# Allegro board BeagleBoard-xM.brd (continued)
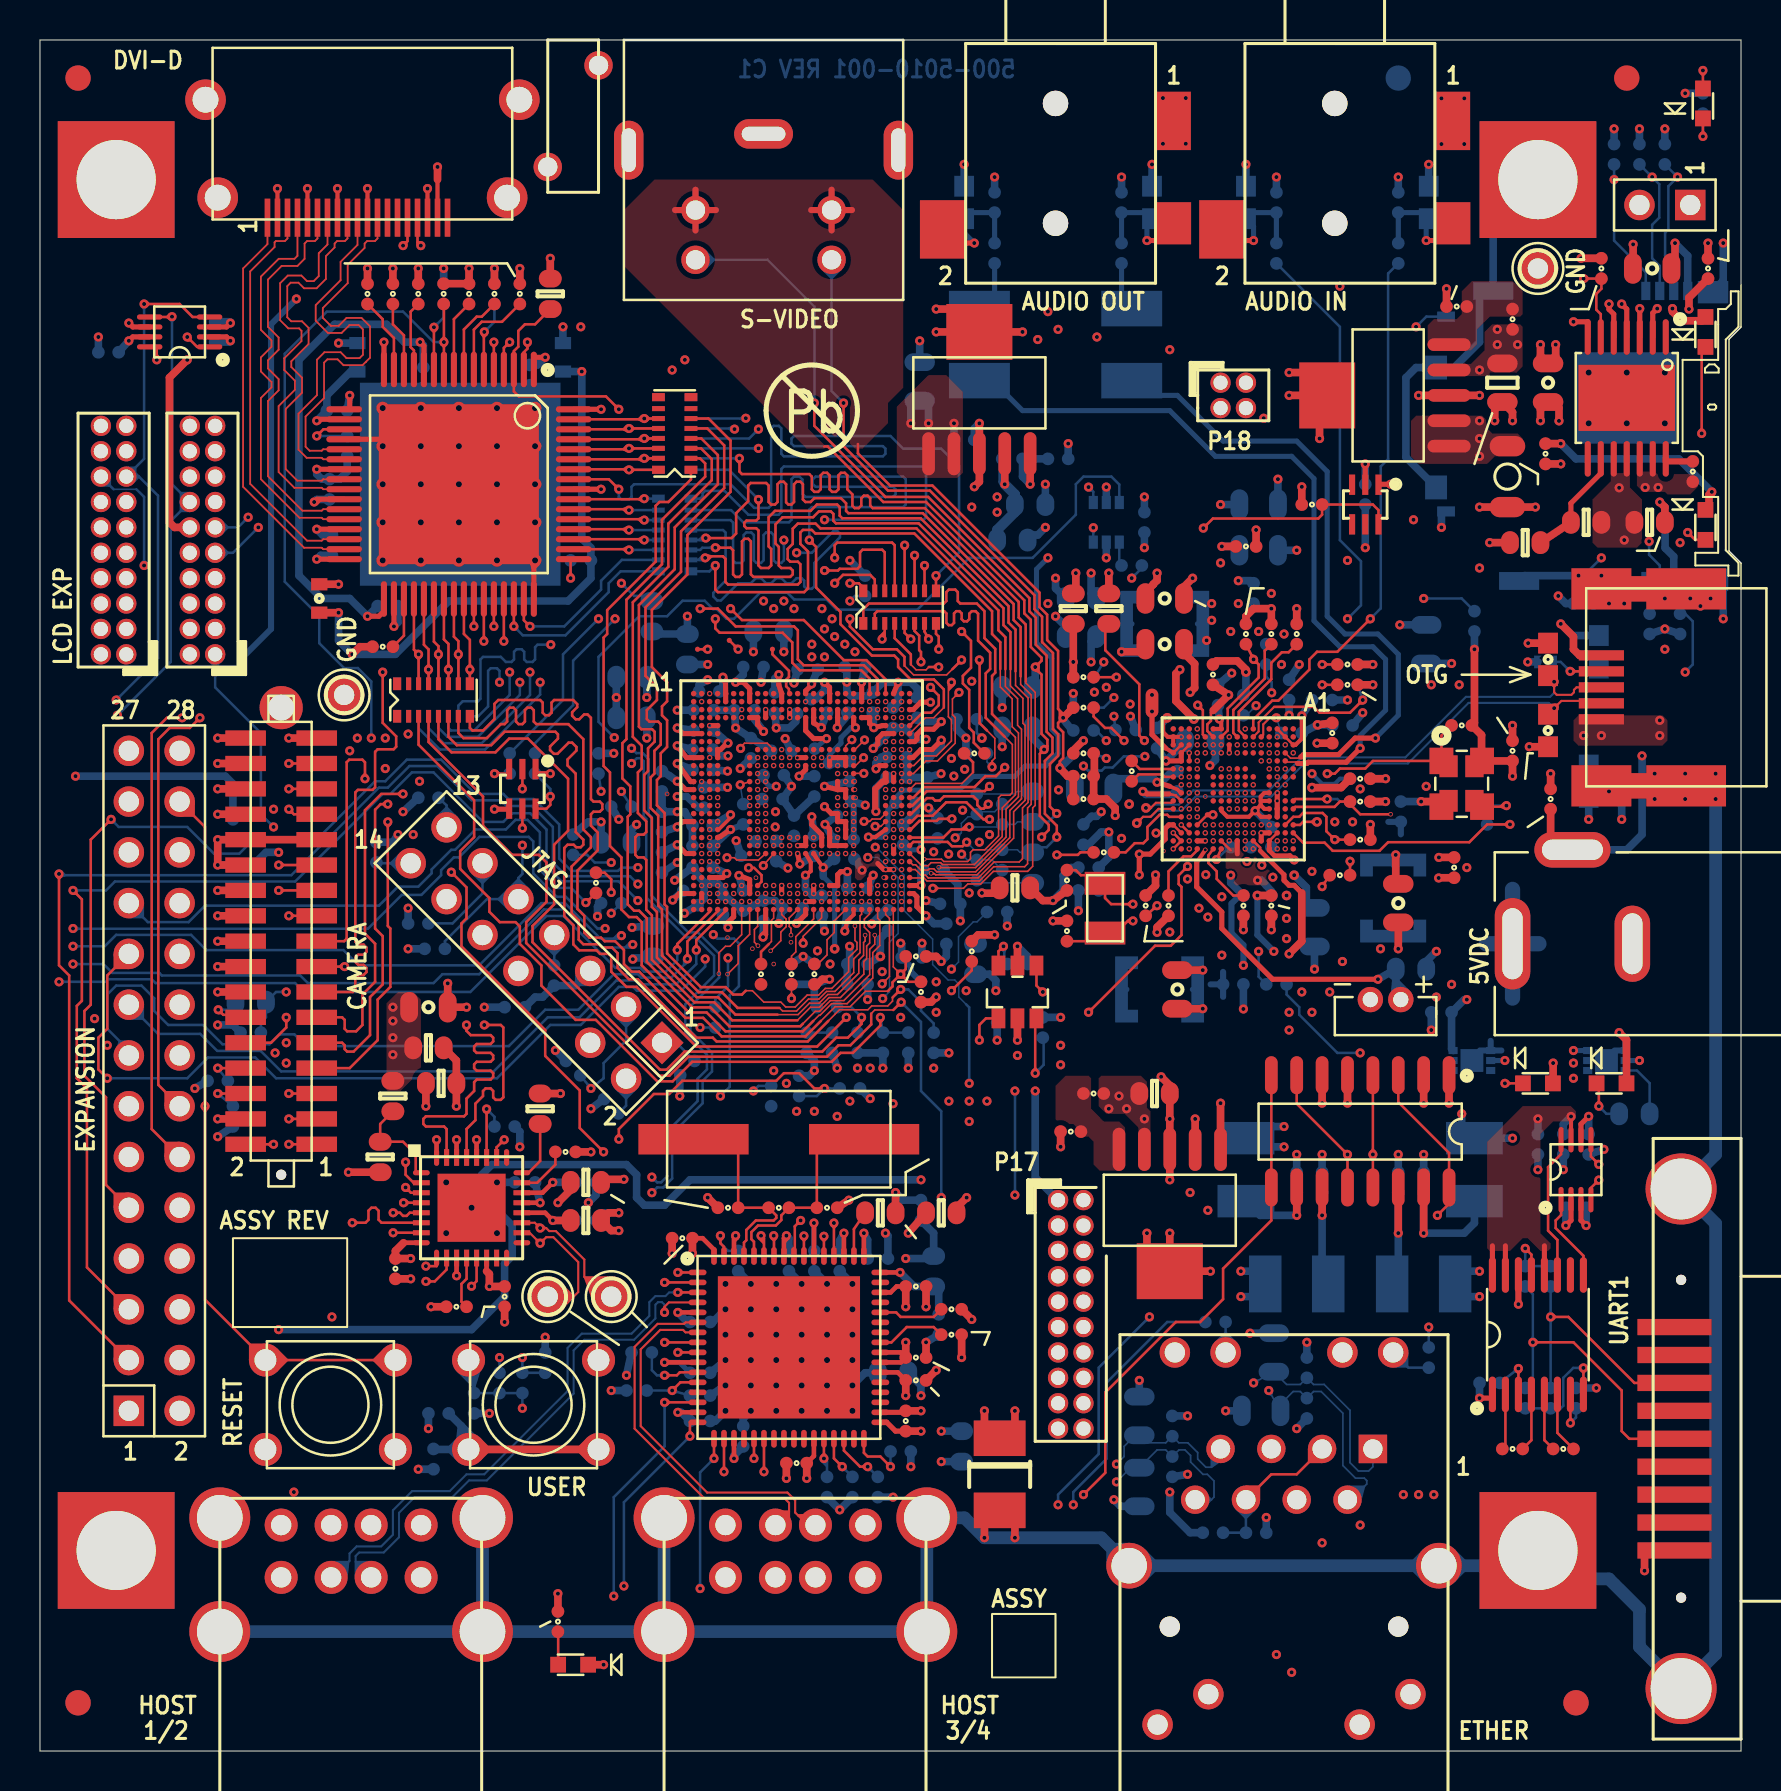
[diagram p0: board, top side]
## Footprints (pads in the part's own frame, mm; a bottom-side part is the same pattern mirrored in y, then rotated) (continued)
R402-25RD
  round 0.635 smd: 1(-0.508,0) 2(0.508,0)
R603-35X45
  oval 0.889x1.143 smd: 1(-0.762,0) 2(0.762,0)
R805-35X60
  oval 0.889x1.524 smd: 1(-0.965,0) 2(0.965,0)
R1210-70X102
  rect 1.778x2.591 smd: 1(-1.803,0) 2(1.803,0)
RJ45-BEL-PULSE_SHLD
  round 1.016 hole 3.251 unplated: (-10.16,-8.89) (1.27,-8.89)
  rect 1.422x1.422 hole 0.965: 1(0,0)
  round 1.422 hole 0.965: 2(-1.27,-2.54) 3(-2.54,0) 4(-3.81,-2.54) 5(-5.08,0) 6(-6.35,-2.54) 7(-7.62,0) 8(-8.89,-2.54)
  round 1.524 hole 1.016: 9(1.016,4.826) 10(-1.524,4.826) 11(-7.366,4.826) 12(-9.906,4.826) 15(-10.77,-13.792) 16(-8.23,-12.268) 17(-0.66,-13.792) 18(1.88,-12.268)
  round 2.286 hole 1.778: 13(-12.192,-5.842) 14(3.302,-5.842)
RPAK16-10X25-2HV
  rect 0.406x0.635 smd: 1(-1.819,-0.813) 8(1.819,-0.813) 9(1.819,0.813) 16(-1.819,0.813)
  rect 0.254x0.635 smd: 2(-1.245,-0.813) 3(-0.747,-0.813) 4(-0.249,-0.813) 5(0.249,-0.813) 6(0.747,-0.813) 7(1.245,-0.813) 10(1.245,0.813) 11(0.747,0.813) 12(0.249,0.813) 13(-0.249,0.813) 14(-0.747,0.813) 15(-1.245,0.813)
SC88
  rect 0.305x1.016 smd: 1(-0.66,-0.991) 2(0,-0.991) 3(0.66,-0.991) 4(0.66,0.991) 5(0,0.991) 6(-0.66,0.991)
SD-MICRO-SCHA5B0300
  rect 0.914x0.457 smd: 1(-7.257,0) 2(-7.257,-0.7) 3(-7.257,-1.4) 4(-7.257,-2.1) 5(7.257,-2.1) 6(7.257,-1.4) 7(7.257,-0.7) 8(7.257,0)
  rect 0.508x0.889 smd: 9(3.775,9.989) 10(-5.975,9.989)
  rect 0.889x2.007 smd: 11(-7.25,7.635) 12(7.25,6.335)
  rect 1.118x1.524 smd: 13(-7.196,-3.365) 14(7.196,-3.365)
  rect 1.194x1.092 smd: 15(-3.425,10.488) 16(2.575,10.488)
SHORT-PAD-SMT
  custom 0.381x0.635 smd: 1(-0.381,0) 2(0.381,0)
SO16-25X75
  oval 0.635x1.905 smd: 1(-4.445,-2.819) 2(-3.175,-2.819) 3(-1.905,-2.819) 4(-0.635,-2.819) 5(0.635,-2.819) 6(1.905,-2.819) 7(3.175,-2.819) 8(4.445,-2.819) 9(4.445,2.794) 10(3.175,2.794) 11(1.905,2.794) 12(0.635,2.794) 13(-0.635,2.794) 14(-1.905,2.794) 15(-3.175,2.794) 16(-4.445,2.794)
SW4-6040-PUSH
  round 1.651 hole 1.092: 1(0,0) 2(6.502,0) 3(0,4.47) 4(6.502,4.47)
TP1-20SMT
  round 0.254 smd: 1(0,0)
TP1-8040
  round 2.032 hole 1.016: 1(0,0)
TSSOP16-14X70
  oval 0.356x1.778 smd: 1(-2.276,-2.987) 2(-1.626,-2.987) 3(-0.975,-2.987) 4(-0.325,-2.987) 5(0.325,-2.987) 6(0.975,-2.987) 7(1.626,-2.987) 8(2.276,-2.987) 9(2.276,2.987) 10(1.626,2.987) 11(0.975,2.987) 12(0.325,2.987) 13(-0.325,2.987) 14(-0.975,2.987) 15(-1.626,2.987) 16(-2.276,2.987)
unnamed#2
  round 1.27 smd: 1(0,0)
USB-MINI-SMT-NUM
  rect 0.508x2.261 smd: 1(-1.6,0) 2(-0.8,0) 3(0,0) 4(0.8,0) 5(1.6,0)
  rect 2.057x2.997 smd: 6(-4.928,0) 7(4.928,0)
  rect 2.057x3.988 smd: 8(-4.928,-4.242) 9(4.928,-4.242)
USB_STACKED2
  round 1.651 hole 1.016: A1(0,0) A2(2.499,0) A3(4.501,0) A4(7,0) B1(0,-2.616) B2(2.499,-2.616) B3(4.501,-2.616) B4(7,-2.616)
  round 3.048 hole 2.286: MH1(-3.071,0.363) MH2(10.071,0.363) MH3(-3.071,-5.326) MH4(10.071,-5.326)
XTAL2-216X60-HCM49
  rect 5.512x1.524 smd: 1(-4.267,0) 2(4.267,0)
XTAL2_FX135
  rect 1.143x2.032 smd: 1(-1.245,0) 2(1.245,0)

## Nets
3V3_ADJ: R9.2 R10.1 U2.9(ADJ)
GND: BT1.2(-) C3.2 C5.2 C6.2 C7.2 C8.2 C9.2 C12.1 C13.2 C14.1 C15.1 C16.2 C17.1 C18.2 C19.1 C20.1 C21.2 C22.2 C23.2 C24.1 C25.1 C26.1 C27.1 C28.1 C29.1 C30.1 C31.1 C32.1 C33.1 C34.1 C35.1 C36.1 C37.1 C38.1 C39.2 C40.1 C41.1 C42.1 C43.1 C44.2 C45.1 C46.1 C47.1 C48.1 C49.1 C50.1 C51.1 C52.1 C53.1 C54.1 C55.2 C56.2 C57.2 C58.2 C59.2 C60.2 C61.1 C62.1 C63.1 C64.1 C65.1 C66.1 C67.1 C68.2 C69.2 C70.2 C71.1 C72.1 C73.1 C74.1 C75.2 C76.2 C77.2 C78.2 C79.2 C80.2 C81.2 C82.2 C83.2 C84.2 C85.2 C86.2 C89.2 C90.2 C91.1 C92.2 C93.2 C94.1 C95.1 C96.1 C97.1 C100.2 C101.2 C102.1 C103.1 C104.2 C105.2 C107.2 C108.2 C109.2 C110.2 C111.2 C112.2 C113.2 C114.2 C115.2 C116.2 C117.2 C118.2 C119.2 C120.2 C121.2 C122.2 C123.2 C124.2 C125.2 C126.2 C127.2 C128.2 C129.2 C130.2 C131.2 C132.2 C133.2 C134.2 C135.2 C136.2 C137.2 C138.2 C139.2 C140.2 C141.2 C142.2 C143.2 C144.2 C145.2 C146.1 C147.1 C149.2 C151.2 C152.2 C153.2 C154.2 C155.2 C156.2 C157.2 C158.2 C159.1 C160.2(M) C161.2(M) C162.2(M) C163.2(M) C164.2 C165.2 C166.2 C167.2 C168.2 C169.2 C170.2 C171.2 C172.2 C173.2 C174.2 C175.2 C176.2 C177.2 C178.2 C179.2 C180.2 C181.2 C182.2 C183.2 C184.2 C185.2 C186.1 C187.2 C189.2 C190.1 C191.2 C192.2 C193.2 C194.2 C195.2 C196.1 C197.2 C198.2 C199.2(P2) C200.2 C201.2 C202.2 C203.2 C204.2 C205.2 C206.2 C207.2 C209.2 C210.1 C213.2 D1.1 D2.1 D3.1 D4.1 D8.1 D9.1 D10.1 D11.1 J1.1 P1.5(G1) P2.2 P3.4 P3.8 P3.10 P3.12 P4.1(P1) P4.2(P2) P5.1 P6.1 P7.6(VSS) P7.9(GND) P8.5 P9.27 P9.28 P10.4(2) P10.14(7) P10.20(10) P10.22(11) P10.28(14) P10.33(34) P10.34(17) P11.19 P11.20 P12.2(DAT2_S) P12.5(DAT1_S) P12.8(DAT0_S) P12.11(CLK_S) P12.17(DDC/CEC GND) P13.19 P13.20 P14.A4(GNDA) P14.B4(GNDB) P15.4(GND1) P15.5(GND2) P16.A4(GNDA) P16.B4(GNDB) P17.19 P17.20 Q1.1(4) Q1.4 Q2.1(4) R10.2 R12.1 R15.2 R22.2 R23.2 R31.2 R34.1 R41.2 R43.2 R52.2 R53.2 R54.2 R63.1 R65.2 R71.2 R85.1 R91.1 R94.1 R100.2 R102.2 R103.2 R106.2 R109.1 R113.2 R119.1 R122.2 R123.2 R136.1 R137.2 R139.2 R140.2 R141.2 R142.2 R143.2 R147.2 S2.3(B1) S2.4(B2) TP1.1(TP) TP2.1(TP) U2.7(GND) U2.15(PPAD) U3.3(GND1) U3.6(GND) U4.A3(VSS4) U4.A26(VSS62) U4.AA2(POP_VSS_FT_3) U4.AA26(VSS_SDI) U4.AC25(VSS61) U4.AC26(VSS65) U4.AE12(VSS29) U4.AE20(VSS55) U4.AF2(POP_VSS_FT_4) U4.AF12(VSS30) U4.AF20(VSS56) U4.AF27(POP_VSS_FT_10) U4.AG2(VSS3) U4.AG3(VSS9) U4.AG6(VSS12) U4.AG10(POP_VSS_FT_5) U4.AG15(POP_VSS_FT_7) U4.AG16(VSS_CSI2) U4.AH21(VSS_DSI) U4.B2(VSS1) U4.B15(POP_VSS_FT_6) U4.B27(VSS66) U4.C7(VSS13) U4.C10(VSS20) U4.C13(VSS31) U4.C19(VSS43) U4.C22(VSS58) U4.D7(VSS14) U4.D10(VSS21) U4.D13(VSS32) U4.D19(VSS44) U4.D21(VSS57) U4.E3(VSS5) U4.E4(VSS10) U4.G27(VSS67) U4.J3(VSS6) U4.J12(VSS26) U4.J13(VSS33) U4.J16(VSS37) U4.J17(VSS39) U4.J27(POP_VSS_FT_9) U4.K9(VSS15) U4.K10(VSS22) U4.K12(VSS27) U4.K16(VSS38) U4.K17(VSS40) U4.K19(VSS45) U4.L19(VSS46) U4.L20(VSS51) U4.L26(VSS63) U4.M2(POP_VSS_FT_1) U4.M20(VSS52) U4.M26(POP_VSS_FT_8) U4.M28(VSS_CSIB) U4.N2(POP_VSS_FT_2) U4.N9(VSS16) U4.P3(VSS7) U4.P4(VSS11) U4.P9(VSS17) U4.P10(VSS23) U4.P19(VSS47) U4.R19(VSS48) U4.R20(VSS53) U4.R26(VSS64) U4.T20(VSS54) U4.U2(VSS2) U4.U9(VSS18) U4.V9(VSS19) U4.V10(VSS24) U4.V19(VSS49) U4.W3(VSS8) U4.W10(VSS25) U4.W13(VSS34) U4.W14(VSS36) U4.W17(VSS41) U4.W19(VSS50) U4.W25(VSS59) U4.Y12(VSS28) U4.Y13(VSS35) U4.Y17(VSS42) U4.Y25(VSS60) U4.Y26(VSSA_DAC) U5.2(GND) U7.A15(JTAG.TDI/BERDATA) U7.B8(PREDRIV.RIGHT/ADCIN7) U7.B15(VDD1.GND0) U7.B16(JTAG.TCK/BERCLK) U7.C7(AVSS4) U7.C9(GND.LEFT#C9) U7.C10(GND.LEFT#C10) U7.C11(GND.RIGHT#C11) U7.C12(GND.RIGHT#C12) U7.C15(VDD1.GND1) U7.C16(VDD1.GND2) U7.D3(MICBIAS.GND) U7.E5(AVSS14) U7.F8(VMODE1(VDD1)) U7.F16(LEDGND) U7.G3(ADCIN2) U7.G9(NSLEEP2) U7.H4(ADCIN0) U7.H9(DGND0) U7.H10(DGND1) U7.H11(DGND2) U7.H13(DGND3) U7.J3(ADCIN1) U7.J4(AVSS10) U7.J6(AVSS11) U7.J7(AVSS12) U7.J8(AVSS13) U7.J9(START.ADC) U7.J11(BOOT1) U7.M15(AVSS3) U7.N1(BCIAUTO) U7.N4(PCHGAC) U7.N5(VAC) U7.N6(PCHGUSB) U7.N15(AGND) U7.R2(VIO.GND0) U7.R6(CP.GND) U7.R10(AVSS2) U7.R15(VDD2.GND1) U7.T2(PCM.VDR) U7.T3(VIO.GND1) U7.T14(VDD2.GND0) U7.T16(TEST.RESET) U8.3(GND1) U8.6(GND) U9.1(E\N\) U9.14(GND) U10.2(GND) U11.16(DGND#16) U11.17(PGND) U11.20(TGND#20) U11.26(TGND#26) U11.32(TGND#32) U11.34(RSVD2) U11.48(DGND#48) U11.56(IDCK-) U11.64(DGND#64) U11.65(TP) U12.2(GND) U13.1(GND#1) U13.5(GND#5) U14.33(GND) U15.34(TEST2) U15.65(VSS(FLAG)) U16.3(GND1) U16.6(GND) U18.2(GND) U31.2(GND) U31.6(E\N\) U32.2(GND) Y1.2(COM/CASE)
GND_EARTH: MH1.1(TP) MH2.1(TP) MH3.1(TP) MH4.1(TP) P1.6(G3) P1.7(G2) P1.8(G5) P1.9(G4) P4.MH1(5) P4.MH2(6) P4.MH3(7) P7.11(GND3) P7.12(GND4) P7.13(GND5) P7.14(GND6) P7.15(GND7) P7.16(GND8) P8.10(SHL1) P8.11(SHL2) P12.MTG1 P12.MTG2 P12.MTG3 P12.MTG4 P14.MH1(SHELD1) P14.MH2(SHIELD2) P14.MH3(SHIELD3) P14.MH4(SHIELD4) P15.13(SHD1) P15.14(SHD2) P16.MH1(SHELD1) P16.MH2(SHIELD2) P16.MH3(SHIELD3) P16.MH4(SHIELD4) R119.2
VBAT: C5.1 C7.1 C105.1 C108.1 C109.1 C111.1 C113.1 C114.1 C115.1 C116.1 C119.1 C132.1 C141.1 C142.1 D6.2(A) D7.2(A) D12.2(A) J2.2 R1.1 R8.1 R13.2 R49.1 R59.1 U2.4(LDO_IN) U7.A3(VMMC2.IN) U7.B2(VAUX4.IN) U7.C1(VMMC1.IN) U7.D9(VBAT.LEFT#D9) U7.D10(VBAT.LEFT#D10) U7.D11(VBAT.RIGHT#D11) U7.D12(VBAT.RIGHT#D12) U7.D14(VDD1.IN0) U7.E14(VDD1.IN1) U7.E15(VDD1.IN2) U7.H15(VPLLA3R) U7.K1(VDAC.IN) U7.K11(BOOT0) U7.K15(VINT) U7.L1(VAUX12S) U7.P3(VIO.IN0) U7.P14(VDD2.IN1) U7.R4(VIO.IN1) U7.R5(VBAT) U7.R7(CP.IN) U7.R9(VBAT.USB) U7.R13(VDD2.IN0) U8.1(S\H\D\N\) U8.2(IN)
VBAT_FB: R14.1 R15.1 U3.5(ADJ)
VBAT_MAIN: J2.1 R13.1 R14.2 R48.1 U3.4(OUT)
VBUS1: C163.1(P) C170.1 P14.A1(VBUSA) U13.15(OUT1)
VBUS2: C162.1(P) C173.1 P14.B1(VBUSB) U13.14(OUT2)
VBUS3: C161.1(P) C172.1 P16.A1(VBUSA) U13.11(OUT3)
VBUS4: C160.1(P) C171.1 P16.B1(VBUSB) U13.10(OUT4)
VBUS_5V0: C3.1 C86.1 D3.2 P1.1(VB) R11.1 R57.1 U2.2(SW_IN#2) U2.3(SW_IN#3)
VDD1: C13.1 C14.2 C15.2 C17.2 C18.1 C19.2 C20.2 C24.2 C31.2 C110.1 C112.1 L4.1 U4.J9(VDD_MPU_IVA1) U4.J10(VDD_MPU_IVA8) U4.J11(VDD_MPU_IVA16) U4.J14(VDD_MPU_IVA22) U4.J15(VDD_MPU_IVA25) U4.K11(VDD_MPU_IVA17) U4.K13(VDD_MPU_IVA21) U4.K14(VDD_MPU_IVA23) U4.L9(VDD_MPU_IVA2) U4.L10(VDD_MPU_IVA9) U4.M9(VDD_MPU_IVA3) U4.M10(VDD_MPU_IVA10) U4.N10(VDD_MPU_IVA11) U4.R9(VDD_MPU_IVA4) U4.R10(VDD_MPU_IVA12) U4.T9(VDD_MPU_IVA5) U4.T10(VDD_MPU_IVA13) U4.U10(VDD_MPU_IVA14) U4.W9(VDD_MPU_IVA6) U4.W11(VDD_MPU_IVA18) U4.W12(VDD_MPU_IVA20) U4.W15(VDD_MPU_IVA26) U4.Y9(VDD_MPU_IVA7) U4.Y10(VDD_MPU_IVA15) U4.Y11(VDD_MPU_IVA19) U4.Y14(VDD_MPU_IVA24) U4.Y15(VDD_MPU_IVA27) U7.E13(VDD1.OUT)
VDD2: C38.2 C39.1 C40.2 C41.2 C42.2 C43.2 C44.1 C46.2 C47.2 C53.2 C54.2 C117.1 C118.1 L5.1 U4.AC4(VDD_CORE3) U4.AE9(VDD_CORE6) U4.AE18(VDD_CORE13) U4.AE19(VDD_CORE20) U4.AE24(VDD_CORE31) U4.D8(VDD_CORE4) U4.D9(VDD_CORE5) U4.D15(VDD_CORE7) U4.D22(VDD_CORE29) U4.D23(VDD_CORE30) U4.E25(VDD_CORE32) U4.H4(VDD_CORE1) U4.J4(VDD_CORE2) U4.J18(VDD_CORE9) U4.J19(VDD_CORE14) U4.J20(VDD_CORE21) U4.K18(VDD_CORE10) U4.K20(VDD_CORE22) U4.L25(VDD_CORE33) U4.M19(VDD_CORE15) U4.M25(VDD_CORE34) U4.N19(VDD_CORE16) U4.N20(VDD_CORE23) U4.P20(VDD_CORE24) U4.T19(VDD_CORE17) U4.U19(VDD_CORE18) U4.U20(VDD_CORE25) U4.V20(VDD_CORE26) U4.W18(VDD_CORE11) U4.W20(VDD_CORE27) U4.Y16(VDD_CORE8) U4.Y18(VDD_CORE12) U4.Y19(VDD_CORE19) U4.Y20(VDD_CORE28) U7.N13(VDD2.FB)
VDD18CORE: C186.2 C187.1 C190.2 U15.15(VDD18CORE#15) U15.38(VDD18CORE#38)
VDD18ETHPLL: C197.1 L11.2 U15.48(VDD18ETHPLL)
VDD18USBPLL: C196.2 L11.1 U15.62(VDD18USBPLL)
VDD_MMC1: C68.1 C125.1 C144.1 C145.1 P7.4(VDD) R72.1 R73.1 R74.1 R75.1 R76.1 R77.1 U4.K25(VDDS_MMC1) U7.C2(VMMC1.OUT)
VDD_PLL1: C71.2 C72.2 C121.1 U4.AA16(VDDS_DPLL_PER) U4.K15(VDDS_DPLL_DLL) U7.H14(VPLL1)
VDD_PLL2: C73.2 C74.2 C120.1 U4.AE27(VDDS_SDI) U4.AG21(VDDS_DSI) U7.J15(VPLL2)
VDD_SIM: C70.1 C123.1 U4.P25(VDDS_SIM) U7.K2(VSIM)
VINTANA1.OUT: C137.1 U7.H3(VINTANA1.OUT)
VINTANA2.OUT: C135.1 U7.B6(VINTANA2.OUT0) U7.J2(VINTANA2.OUT1)
VINTDIG: C133.1 U7.L16(VINTDIG)
VINTUSB1P5: C130.1 U7.P8(VINTUSB1P5)
VINTUSB1P8: C129.1 U7.P10(VINTUSB1P8)
26MHZ: R56.1 Y1.3(OUT)
32KCLKOUT: U4.AE25(SYS_32K) U7.N10(32KCLKOUT)
232_C1+: C148.1 U9.2(C1+)
232_C1-: C148.2 U9.4(C1-)
232_C2+: C150.1 U9.5(C2+)
232_C2-: C150.2 U9.6(C2-)
232_PIN2: P8.2 R78.2 R80.2
232_PIN3: P8.3 R79.2 R82.2
232_V+: C151.1 U9.3(V+)
232_V-: C149.1 U9.7(V-)
232OE: R81.2 U10.6(OE)
410_NC: R89.2 U11.49(NC)
3320_NC: C209.1 U14.12(NC)
ADCIN3: C84.1 R49.2 R53.1 U7.P11(CTSI/BERDATA/ADCIN3)
ADCIN5: C83.1 R48.2 R52.1 U7.N11(RTSO/CLK64K/BERCLK/ADCIN5)
AUTOMDIX_EN: R118.2 U15.41(AUTOMDIX_EN)
AUX_3V3: C143.1 C146.2 C207.1 D5.2(A) L7.1 L8.1 L9.1 R9.1 R86.2 R88.1 R89.1 R90.1 R93.1 R95.1 R96.1 R97.1 U2.10(LDO_PLDN) U2.11(LDO_OUT) U9.12(FORCEON) U9.15(VCC) U9.16(\F\O\R\C\E\O\F\F) U10.7(VCCB)
AUX_3V3_DIS: R54.1 U7.N12(GPIO.1/CD2/JTAG.TMS) U18.1(1A)
AUX_ADC: P17.17 U7.N9(RXAF/ADCIN6)
AUXL: C98.1 U7.F1(AUXL)
AUXR: C99.1 U7.G1(AUXR)
BKBAT: BT1.1(+) R65.1 U7.M14(BKBAT)
BSEL: R93.2 U11.15(BSEL/SCL)
CAM_CLKA: P10.2(1) U4.C25(CAM_XCLKA/GPIO_96)
CAM_CORE: C213.1 P10.30(15) P10.32(16) U7.G16(VAUX3.OUT)
CAM_D0: P10.23(29) U4.AG17(CAM_D0/GPIO_99)
CAM_D1: P10.21(28) U4.AH17(CAM_D1/GPIO_100)
CAM_D2: P10.19(27) U4.B24(CAM_D2/GPIO_101)
CAM_D3: P10.17(26) U4.C24(CAM_D3/GPIO_102)
CAM_D4: P10.15(25) U4.D24(CAM_D4/GPIO_103)
CAM_D5: P10.13(24) U4.A25(CAM_D5/GPIO_104)
CAM_D6: P10.11(23) U4.K28(CAM_D6/GPIO_105)
CAM_D7: P10.9(22) U4.L28(CAM_D7/GPIO_106)
CAM_D8: P10.7(21) U4.K27(CAM_D8/GPIO_107)
CAM_D9: P10.5(20) U4.L27(CAM_D9/GPIO_108)
CAM_D10: P10.3(19) U4.B25(CAM_D10/GPIO_109)
CAM_D11: P10.1(18) U4.C26(CAM_D11/GPIO_110)
CAM_FLD: P10.10(5) U4.C23(CAM_FLD/CAM_GLOBAL_RESET/GPIO_9)
CAM_HS: P10.29(32) U4.A24(CAM_HS/GPIO_94)
CAM_IO: C126.1 P10.16(8) P10.18(9) U7.B3(VAUX4.OUT)
CAM_PCLK: P10.27(31) U4.C27(CAM_PCLK/GPIO_97)
CAM_VS: P10.31(33) U4.A23(CAM_VS/GPIO_95)
CAM_WEN: R83.2 R124.2 U4.B23(CAM_WEN/CAM_SHUTTER/GPIO_167)
CAP_VDD_DSI: C82.1 U4.AH20(CAP_VDD_DSI)
CAP_VDD_SRAM_CORE: C81.1 U4.L21(CAP_VDD_SRAM_CORE)
CAP_VDD_SRAM_MPU_IVA: C80.1 U4.V4(CAP_VDD_SRAM_MPU_IVA)
CAP_VDD_WKUP: C79.1 U4.AA15(CAP_VDD_WKUP)
CLK24_EN: R106.1 U15.44(CLK24_EN)
CLK256FS: R51.2 U7.D13(CLK256FS)
CLK_REQ: U4.AF25(SYS_CLKREQ/GPIO_1) U7.G10(CLKREQ)
CLKOUT: R98.2 R122.1 U14.1(CLKOUT)
CMOS_OE: P10.12(6) R83.1
CONN_AUXL: C98.2 C100.1 D10.2 P6.3
CONN_AUXR: C99.2 C101.1 D11.2 P6.2
CONN_HSOL: C90.1 D8.2 P5.3 R58.2
CONN_HSOR: C89.1 D9.2 P5.2 R60.2
CP.CAPM: C106.2 U7.T6(CP.CAPM)
CP.CAPP: C106.1 U7.T7(CP.CAPP)
DC_5V: C6.1 P9.2 P11.1 P11.2 R154.2 R158.2 RT1.1 U2.12(SW_OUT#12) U2.13(SW_OUT#13) U3.1(S\H\D\N\) U3.2(IN) U31.4(OUT0) U31.5(OUT1)
DC_5V_USB: U13.2(IN1) U13.6(IN2) U16.1(S\H\D\N\) U16.2(IN) U32.4(OUT0) U32.5(OUT1)
DC_IN: D13.2(A) P2.1 R144.1 U31.1(IN1) U31.7(IN0) U32.1(IN1) U32.7(IN0)
DDC_I2C3_SCL: P12.15(SCL) U12.8(B1)
DDC_I2C3_SDA: P12.16(SDA) U12.1(B2)
DIG.MIC.0: C96.2 U7.G2(MIC.SUB.P/DIG.MIC.0)
DIG.MIC.1: C97.2 U7.H2(MIC.SUB.M/DIG.MIC1)
DK1: R97.2 U11.8(DK1)
DK2: R96.2 U11.7(DK2)
DK3: R95.2 U11.6(DK3)
DKEN: R88.2 U11.35(DKEN)
DMAREQ3: P17.16 U4.P8(GPMC_NCS6/SYS_NDMAREQ3/MCBSP4_D)
DSS_ACBIAS: RP4.6(P1) U4.E27(DSS_ACBIAS/GPIO_69)
DSS_D0: RP2.3(P1) RP5.1(P1) U4.H26(DSS_D18/SDI_VSYNC/MCSPI3_CLK/DS)
DSS_D1: RP2.4(P1) RP5.2(P1) U4.H25(DSS_D19/SDI_HSYNC/MCSPI3_SIMO/D)
DSS_D2: RP2.5(P1) RP5.3(P1) U4.E28(DSS_D20/SDI_DEN/MCSPI3_SOMI/DSS)
DSS_D3: RP2.6(P1) RP5.4(P1) U4.J26(DSS_D21/SDI_STP/MCSPI3_CS0/DSS_)
DSS_D4: RP2.7(P1) RP5.5(P1) U4.AC27(DSS_D22/SDI_CLKP/MCSPI3_CS1/DSS)
DSS_D5: RP2.8(P1) RP5.6(P1) U4.AC28(DSS_D23/SDI_CLKN/DSS_D5/GPIO_93)
DSS_D6: RP3.1(P1) U4.E26(DSS_D6/UART1_TX/DSSVENC656_DATA)
DSS_D7: RP3.2(P1) U4.F28(DSS_D7/UART1_RX/DSSVENC656_DATA)
DSS_D8: RP3.3(P1) U4.F27(DSS_D8/GPIO_78/HW_DBG16)
DSS_D9: RP3.4(P1) U4.G26(DSS_D9/GPIO_79/HW_DBG17)
DSS_D10: RP3.5(P1) U4.AD28(DSS_D10/SDI_DAT1N/GPIO_80)
DSS_D11: RP3.6(P1) U4.AD27(DSS_D11/SDI_DAT1P/GPIO_81)
DSS_D12: RP3.7(P1) U4.AB28(DSS_D12/SDI_DAT2N/GPIO_82)
DSS_D13: RP3.8(P1) U4.AB27(DSS_D13/SDI_DAT2P/GPIO_83)
DSS_D14: RP4.1(P1) U4.AA28(DSS_D14/SDI_DAT3N/GPIO_84)
DSS_D15: RP4.2(P1) U4.AA27(DSS_D15/SDI_DAT3P/GPIO_85)
DSS_D16: RP4.3(P1) U4.G25(DSS_D16/GPIO_86)
DSS_D17: RP4.4(P1) U4.H27(DSS_D17/GPIO_87)
DSS_D18: R36.1 R123.1 RP7.8(P1) U4.AH26(SYS_BOOT0/DSS_D18/GPIO_2)
DSS_D19: R125.1 R139.1 RP7.7(P1) U4.AG26(SYS_BOOT1/DSS_D19/GPIO_3)
DSS_D20: R127.1 R141.1 RP7.6(P1) U4.AF18(SYS_BOOT3/DSS_D20/GPIO_5)
DSS_D21: R37.1 R142.1 RP7.5(P1) U4.AF19(SYS_BOOT4/MMC2_DIR_DAT2/DSS_D21)
DSS_D22: R41.1 R148.2 RP7.4(P1) U4.AE21(SYS_BOOT5/MMC2_DIR_DAT3/DSS_D22)
DSS_D23: R38.1 R143.1 RP7.3(P1) U4.AF21(SYS_BOOT6/DSS_D23/GPIO_8)
DSS_DX0: RP1.6(P1) U4.AG22(DSS_D0/DX0/UART1_CTS/DSSVENC656)
DSS_DX1: RP1.5(P1) U4.AH22(DSS_D1/DY0/UART1_RTS/DSSVENC656)
DSS_DX2: RP1.4(P1) U4.AG23(DSS_D2/DX1/DSSVENC656_DATA2/GPI)
DSS_DX3: RP1.3(P1) U4.AH23(DSS_D3/DY1/DSSVENC656_DATA3/GPI)
DSS_DX4: RP1.2(P1) U4.AG24(DSS_D4/DX2/UART3_RX_IRRX/DSSVEN)
DSS_DX5: RP1.1(P1) U4.AH24(DSS_D5/DY2/UART3_TX_IRTX/DSSVEN)
DSS_HSYNC: RP4.5(P1) U4.D26(DSS_HSYNC/GPIO_67/HW_DBG13)
DSS_PCLK: RP4.8(P1) U4.D28(DSS_PCLK/GPIO_66/HW_DBG12)
DSS_VSYNC: RP4.7(P1) U4.D27(DSS_VSYNC/GPIO_68)
DVI_+5V: C158.1 P12.18(+5V) RT1.2 U12.7(VCCB)
DVI_CLK+: P13.16 RP4.9(P2) U11.57(IDCK+)
DVI_DATA0: P11.4 RP1.11(P2) RP2.14(P2) U11.63(PD0)
DVI_DATA1: P11.3 RP1.12(P2) RP2.13(P2) U11.62(PD1)
DVI_DATA2: P11.6 RP1.13(P2) RP2.12(P2) U11.61(PD2)
DVI_DATA3: P11.5 RP1.14(P2) RP2.11(P2) U11.60(PD3)
DVI_DATA4: P11.8 RP1.15(P2) RP2.10(P2) U11.59(PD4)
DVI_DATA5: P11.7 RP1.16(P2) RP2.9(P2) U11.58(PD5)
DVI_DATA6: P13.15 RP3.16(P2) U11.55(PD6)
DVI_DATA7: P13.9 RP3.15(P2) U11.54(PD7)
DVI_DATA8: P13.11 RP3.14(P2) U11.53(PD8)
DVI_DATA9: P13.13 RP3.13(P2) U11.52(PD9)
DVI_DATA10: P11.10 RP3.12(P2) U11.51(PD10)
DVI_DATA11: P11.16 RP3.11(P2) U11.50(PD11)
DVI_DATA12: P11.9 RP3.10(P2) U11.47(PD12)
DVI_DATA13: P13.10 RP3.9(P2) U11.46(PD13)
DVI_DATA14: P11.12 RP4.16(P2) U11.45(PD14)
DVI_DATA15: P13.7 RP4.15(P2) U11.44(PD15)
DVI_DATA16: P13.8 RP4.14(P2) U11.43(PD16)
DVI_DATA17: P13.5 RP4.13(P2) U11.42(PD17)
DVI_DATA18: P13.6 RP5.16(P2) RP7.9(P2) U11.41(PD18)
DVI_DATA19: P11.13 RP5.15(P2) RP7.10(P2) U11.40(PD19)
DVI_DATA20: P13.3 RP5.14(P2) RP7.11(P2) U11.39(PD20)
DVI_DATA21: P13.4 RP5.13(P2) RP7.12(P2) U11.38(PD21)
DVI_DATA22: P11.14 RP5.12(P2) RP7.13(P2) U11.37(PD22)
DVI_DATA23: P11.11 RP5.11(P2) RP7.14(P2) U11.36(PD23)
DVI_DEN: P13.17 RP4.11(P2) U11.2(DE)
DVI_DSEL: R94.2 U11.14(DSEL/SDA)
DVI_DVDD: C155.1 C156.1 C157.1 L9.2 U11.1(DVDD#1) U11.12(DVDD#12) U11.33(DVDD#33)
DVI_HSYNC: P13.18 RP4.12(P2) U11.4(HSYNC)
DVI_PU: R43.1 U5.3(2A) U7.L4(GPIO2/T1)
DVI_PUP: P11.18 R90.2 U5.4(2Y) U11.10(P\D\)
DVI_PVDD: C152.1 L7.2 U11.18(PVDD)
DVI_VREF: R84.2 R85.2 U11.3(VREF)
DVI_VSYNC: P11.17 RP4.10(P2) U11.5(VSYNC)
EN1_OC1: U13.3(EN1) U13.16(OC1) U15.14(PRTCTL2)
EN2_OC2: U13.4(EN2) U13.13(OC2) U15.16(PRTCTL3)
EN3_OC3: U13.7(EN3) U13.12(OC3) U15.17(PRTCTL4)
EN4_OC4: U13.8(EN4) U13.9(OC4) U15.18(PRTCTL5)
EXP_VDD: C124.1 P13.1 U7.M2(VAUX1.OUT)
GPIO_15: P17.7 U4.AG12(ETK_D1/MCSPI3_SOMI/MMC3_DAT5/HS)
GPIO_16: P17.6 U4.AH12(ETK_D2/MCSPI_CS0/MMC3_DAT6/HSUS)
GPMC_WAIT0: R17.1 U4.M8(GPMC_WAIT0)
HDQ: P17.15 U4.J25(HDQ_SIO/SYS_ALTCLK/I2C2_SCCBE/I)
HFCLK_26MHZ: R56.2 U7.A14(HFCLKIN)
HFCLK_OUT: R47.1 U4.AE17(SYS_XTALIN)
HFCLKOUT: R47.2 U7.R12(HFCLKOUT)
HSMIC.M: C92.1 U7.F3(HSMIC.M)
HSMIC.P: C93.1 U7.E3(HSMIC.P)
HSOL: C87.2 U7.B4(HSOL)
HSOR: C88.2 U7.B5(HSOR)
HSUSB_DN: D1.2 P1.2(D-) U7.T11(DN/UART3.TXD)
HSUSB_DP: D4.2 P1.3(D+) U7.T10(DP/UART3.RXD)
HSUSB_ID: D2.2 J1.2 P1.4(ID) U7.R11(ID)
HTPLG: R86.1 U11.9(HTPLG)
HUB_3V3: C168.1 C169.1 C177.1 C180.1 C181.1 C182.1 C183.1 C184.1 C185.1 D14.2(A) L10.1 P15.10(GRNA) P15.12(YELA) P15.15(GRN+) P15.18(YEL+) R99.2 R101.1 R105.1 R107.1 R108.1 R111.2 R118.1 R128.1 R129.1 R151.2 U14.21(VBAT) U15.19(VDD33IO#19) U15.27(VDD33IO#27) U15.33(VDD33IO#33) U15.39(VDD33IO#39) U15.40(TEST3) U15.46(VDD33IO#46) U16.4(OUT)
HUB_3V3A: C175.1 C176.1 C191.1 C192.1 C193.1 C194.1 C195.1 L10.2 R110.2 R114.2 R115.2 R116.2 R117.1 U15.5(VDD33A#5) U15.10(VDD33A#10) U15.49(VDD33A#49) U15.51(VDD33A#51) U15.54(VDD33A#54) U15.57(VDD33A#57) U15.64(VDD33A#64)
HUB_EXRES: R63.2 U15.50(EXRES)
HUB_NTRST: R129.2 U15.28(NTRST)
HUB_RESET: U4.R8(GPMC_NCS5/SYS_NDMAREQ2/MCBSP4_D) U18.3(2A)
HUB_TCK: R107.2 U15.32(TCK)
HUB_TDI: R108.2 U15.30(TDI)
HUB_TMS: R128.2 U15.29(TMS)
HUB_VBUS: R101.2 U15.11(VBUS_DET)
I2C1_SCL: R19.2 U4.K21(I2C1_SCL) U7.D5(I2C.CNTL.SCL)
I2C1_SDA: R20.2 U4.J21(I2C1_SDA) U7.D4(I2C.CNTL.SDA)
I2C2_SCL: P9.24 P10.8(4) R155.2 U4.AF15(I2C2_SCL/GPIO_168)
I2C2_SDA: P9.23 P10.6(3) R160.2 U4.AE15(I2C2_SDA/GPIO_183)
I2C3_SCL: P13.14 U4.AF14(I2C3_SCL/GPIO_184) U12.5(A1)
I2C3_SDA: P11.15 U4.AG14(I2C3_SDA/GPIO_185) U12.4(A2)
I2C4_SCL: R18.2 U4.AD26(I2C4_SCL/SYS_NVMODE1) U7.D6(VMODE2(VDD2)/I2C.SR.SCL)
I2C4_SDA: R21.2 U4.AE26(I2C4_SDA/SYS_NVMODE2) U7.C4(N.C./I2C.SR.SDA)
ID_0: R23.1 U4.AB3(MCSPI1_CLK/GPIO_171)
ID_1: R22.1 U4.AB4(MCSPI1_SIMO/GPIO_172)
ID_2: R137.1 U4.AA4(MCSPI1_SOMI/GPIO_173)
INTER_HSOL: C87.1 R58.1
INTER_HSOR: C88.1 R60.1
ISEL: R91.2 U11.13(ISEL/R\E\S\E\T\)
JTAG_EMU0: P3.13 R25.2 U4.AA11(JTAG_EMU0/SDTI_CLK/SDTI_TXD0/GP)
JTAG_EMU1: P3.14 R24.2 U4.AA10(JTAG_EMU1/SDTI_TXD0/SDTI_TXD1/G)
JTAG_NTRST: P3.2 R31.1 U4.AA17(JTAG_NTRST)
JTAG_RTCK: P3.9 R27.2 U4.AA12(JTAG_RTCK)
JTAG_TCK: P3.11 R26.1 U4.AA13(JTAG_TCK)
JTAG_TDI: P3.3 R29.2 U4.AA20(JTAG_TDI)
JTAG_TDO: P3.7 R28.1 U4.AA19(JTAG_TDO)
JTAG_TMS: P3.1 R30.2 U4.AA18(JTAG_TMS)
LED0_GPIO150: Q1.2(5) U4.W8(UART1_CTS/SSI1_RDY_TX/GPIO_150/)
LED1_GPIO149: Q1.5 U4.AA9(UART1_RTS/SSI1_FLAG_TX/GPIO_149)
MCBSP1_CLKR: P9.20 U4.Y21(MCBSP1_CLKR/MCSPI4_CLK/SIM_CD/G)
MCBSP1_CLKX: P9.14 U4.W21(MCBSP1_CLKX/MCBSP3_CLKX/GPIO_16)
MCBSP1_DR: P9.18 U4.U21(MCBSP1_DR/MCSPI4_SOMI/MCBSP3_DR)
MCBSP1_DX: P9.12 U4.V21(MCBSP1_DX/MCSPI4_SIMO/MCBSP3_DX)
MCBSP1_FSR: P9.22 U4.AA21(MCBSP1_FSR/CAM_GLOBAL_RESET/GPI)
MCBSP1_FSX: P9.16 U4.K26(MCBSP1_FSX/MCSPI4_CS0/MCBSP3_FS)
MCBSP2_CLKX: P18.4 U4.N21(MCBSP2_CLKX/GPIO_117) U7.L3(I2S.CLK)
MCBSP2_DR: P18.3 U4.R21(MCBSP2_DR/GPIO_118) U7.K3(I2S.DOUT)
MCBSP2_DX: P18.1 U4.M21(MCBSP2_DX/GPIO_119) U7.K4(I2S.DIN)
MCBSP2_FSX: P18.2 U4.P21(MCBSP2_FSX/GPIO_116) U7.K6(I2S.SYNC)
MCBSP3_CLKX: P9.6 U4.AA25(UART2_TX/MCBSP3_CLKX/GPT11_PWME)
MCBSP3_DR: P9.10 U4.AB25(UART2_RTS/MCBSP3_DR/GPT10_PWMEV)
MCBSP3_DX: P9.4 U4.AB26(UART2_CTS/MCBSP3_DX/GPT9_PWMEVT)
MCBSP3_FSX: P9.8 U4.AE5(MCBSP3_FSX/UART2_RX/GPIO_143/HS)
MCBSP_CLKS: R51.1 U4.T21(MCBSP_CLKS/CAM_SHUTTER/GPIO_160)
MEM_1V8: C16.1 C21.1 C22.1 C23.1 C25.2 C26.2 C27.2 C28.2 C29.2 C30.2 C32.2 C33.2 C34.2 C35.2 C36.2 C37.2 C48.2 C49.2 C50.2 C51.2 C52.2 C56.1 C57.1 C58.1 C59.1 C60.1 C139.1 C140.1 C189.1 R66.2 R67.2 R68.1 R69.1 U4.A5(VDDS_MEM7) U4.A8(VDDS_MEM10) U4.A12(VDDS_MEM12) U4.A15(POP_DDR_VDD_FT_1) U4.A18(VDDS_MEM16) U4.A22(VDDS_MEM18) U4.AA1(POP_FLASH_VDD_FT_5) U4.AE28(POP_DDR_VDD_FT_5) U4.AF1(POP_FLASH_VDD_FT_1) U4.AF28(POP_DDR_VDD_FT_2) U4.AH6(VDDS_MEM9) U4.AH10(POP_FLASH_VDD_FT_2) U4.AH15(POP_FLASH_VDD_FT_3) U4.B5(VDDS_MEM8) U4.B8(VDDS_MEM11) U4.B12(VDDS_MEM13) U4.B18(VDDS_MEM17) U4.B22(VDDS_MEM19) U4.C16(VDDS_MEM14) U4.C28(VDDS_MEM20) U4.D16(VDDS_MEM15) U4.F1(VDDS_MEM1) U4.F2(VDDS_MEM4) U4.G28(VDDS_MEM21) U4.J1(VDDS_MEM2) U4.J2(VDDS_MEM5) U4.J28(POP_DDR_VDD_FT_3) U4.M1(POP_DDR_VDD_FT_4) U4.N1(POP_FLASH_VDD_FT_4) U4.R4(VDDS_MEM6) U4.U1(VDDS_MEM3)
MEM_ADJ: R70.2 R71.1 U8.5(ADJ)
MEM_BOOST: R68.2 R69.2 R70.1 U8.4(OUT)
MIC.MAIN.M: C94.2 U7.F2(MIC.MAIN.M)
MIC.MAIN.P: C95.2 U7.E2(MIC.MAIN.P)
MMC1_CLKO: P7.5(CLOCK) R16.1 R77.2
MMC1_CMD: P7.3(CMD) R76.2 U4.M27(MMC1_CMD/MS_BS/GPIO_121)
MMC1_DAT0: P7.7(DAT0) R72.2 U4.N27(MMC1_DAT0/MS_DAT0/GPIO_122)
MMC1_DAT1: P7.8(DAT1) R73.2 U4.N26(MMC1_DAT1/MS_DAT1/GPIO_123)
MMC1_DAT2: P7.1(DAT2) R75.2 U4.N25(MMC1_DAT2/MS_DAT2/GPIO_124)
MMC1_DAT3: P7.2(CD/DAT3) R74.2 U4.P28(MMC1_DAT3/MS_DAT3/GPIO_125)
MMC2_CLKO: P9.21 R157.1
MMC2_CMD: P9.19 U4.AG5(MMC2_CMD/MCSPI3_SIMO/GPIO_131)
MMC2_DAT0: P9.17 U4.AH5(MMC2_DAT0/MCSPI3_SOMI/GPIO_132)
MMC2_DAT1: P9.15 U4.AH4(MMC2_DAT1/GPIO_133)
MMC2_DAT2: P9.13 U4.AG4(MMC2_DAT2/MCSPI3_CS1/GPIO_134)
MMC2_DAT3: P9.11 U4.AF4(MMC2_DAT3/MCSPI3_CS0/GPIO_135)
MMC2_DAT4: P9.9 U4.AE4(MMC2_DAT4/MMC2_DIR_DAT0/MMC3_DA)
MMC2_DAT5: P9.7 U4.AH3(MMC2_DAT5/MMC2_DIR_DAT1/CAM_GLO)
MMC2_DAT6: P9.5 U4.AF3(MMC2_DAT6/MMC2_DIR_CMD/CAM_SHUT)
MMC2_DAT7: P9.3 U4.AE3(MMC2_DAT7/MMC2_CLKIN/MMC3_DAT3/)
MMC3_CLK: P17.14 U4.AF10(ETK_CLK/MCBSP5_CLKX/MMC3_CLK/HS)
MMC3_CMD: P17.12 U4.AE10(ETK_CTL/MMC3_CMD/HSUSB1_CLK/GPI)
MMC3_DAT0: P17.11 U4.AE11(ETK_D4/MCBSP5_DR/MMC3_DAT0/HSUS)
MMC3_DAT1: P17.8 U4.AH9(ETK_D5/MCBSP5_FSX/MMC3_DAT1/HSU)
MMC3_DAT2: P17.3 U4.AF13(ETK_D6/MCBSP5_DX/MMC3_DAT2/HSUS)
MMC3_DAT3: P17.5 U4.AE13(ETK_D3/MCSPI3_CLK/HSUSB1_D7/GPI)
MMC3_DAT4: P17.10 U4.AF11(ETK_D0/MCSPI3_SIMO/MMC3_DAT4/HS)
MMC3_DAT5: P17.9 U4.AG9(ETK_D9/SYS_SECURE_INDICATOR/MMC)
MMC3_DAT6: P17.13 U4.AF9(ETK_D8/SYS_DRM_MSECURE/HSUSB1_D)
MMC3_DAT7: P17.4 U4.AH14(ETK_D7/MCSPI3_CS1/MMC3_DAT7/HSU)
MMC_CD: P7.10(CD) R135.1 U7.P12(GPIO.0/CD1/JTAG.TDO)
MMC_CLK: R16.2 U4.N28(MMC1_CLK/MS_CLK/GPIO_120)
MSECURE: R62.2 U4.AF6(MCBSP3_DX/UART2_CTS/GPIO_140/HS) U7.H8(MSECURE)
MSEN: R92.2 U11.11(MSEN)
NDC_PWR: Q2.6(3) R138.2 U7.M4(GPIO.6/CLKOK/PWM0/T3)
NHUB_RESET: C174.1 R105.2 R156.2 U15.12(N_RESET)
NLNKA: R104.1 U15.21(NLNKA_LED/GPIO1)
NLNKAR: P15.9(GRNC) P15.16(GRN-) R104.2
NRESET: P9.26 R42.2 S2.1(A1) S2.2(A2) U4.AH25(SYS_NRESPWRON) U5.6(1Y)
NRESPWRON: U5.1(1A) U7.A13(NRESPWRON)
NRESWARM: R61.2 U4.AF24(SYS_NRESWARM/GPIO_30) U4.AG13(POP_RESET_RP_FT) U7.B13(NRESWARM)
NSLEEP: U4.AF22(SYS_OFF_MODE/GPIO_9) U7.P7(NSLEEP1)
NSPD: R50.1 U15.22(NSPD_LED/GPIO2)
NSPDR: P15.11(YELC) P15.17(YEL-) R50.2
NUSB_PWR: P2.3 P13.12 R11.2 U2.5(S\W\_\E\N\)
NUSBHOST_PWR_EN: R130.2 U7.F15(LEDA/VIBRA.P) U32.6(E\N\)
OSC_EN: R55.1 U7.C6(CLKEN) Y1.1(NC)
PMU_STAT: D12.1(C) R64.1
POP_INT0_FT: R46.1 U4.AG11(POP_INT0_FT)
POP_INT1_FT: R45.1 U4.AH11(POP_INT1_FT)
POP_TEMP: R44.2 U4.AG25(SYS_CLKOUT1/GPIO_10)
POP_TQ_TEMP_S: R44.1 U4.AH16(POP_TQ_TEMP_S)
PWR_CNTRL: P17.18 R59.2 U7.A11(PWRON)
PWRLED_R: D5.1(C) R12.2
REGEN: P9.25 R1.2 U7.A10(REGEN)
RS232_RX1: R80.1 R82.1 U9.8(RIN)
RS232_TX1: R78.1 R79.1 U9.13(DOUT)
RXN: C201.1 P15.8(RD-) R114.1 U15.53(RXN)
RXP: C200.1 P15.7(RD+) R110.1 U15.52(RXP)
SDC_CLK: TP3.1(TP) U4.A13(SDRC_CLK)
SDC_NCS0: TP5.1(TP) U4.H11(SDRC_NCS0)
SDC_NCS1: TP4.1(TP) U4.H12(SDRC_NCS1)
SYS_BOOT2: R126.1 R140.1 R149.1 U4.AE14(SYS_BOOT2/GPIO_4)
SYS_NIRQ0: U4.AF26(SYS_NIRQ/GPIO_0) U7.F10(INT1)
T2_LED_B: R64.2 U7.G15(LEDB/VIBRA.M)
T2_VBUS: R57.2 U7.R8(VBUS)
T2_VDD1.L: L4.2 U7.C14(VDD1.L0#C14) U7.D15(VDD1.L0#D15) U7.D16(VDD1.L0#D16)
T2_VDD2.L: L5.2 U7.R14(VDD2.L1) U7.T13(VDD2.L0)